# KiCad board sizif128.kicad_pcb (continued)
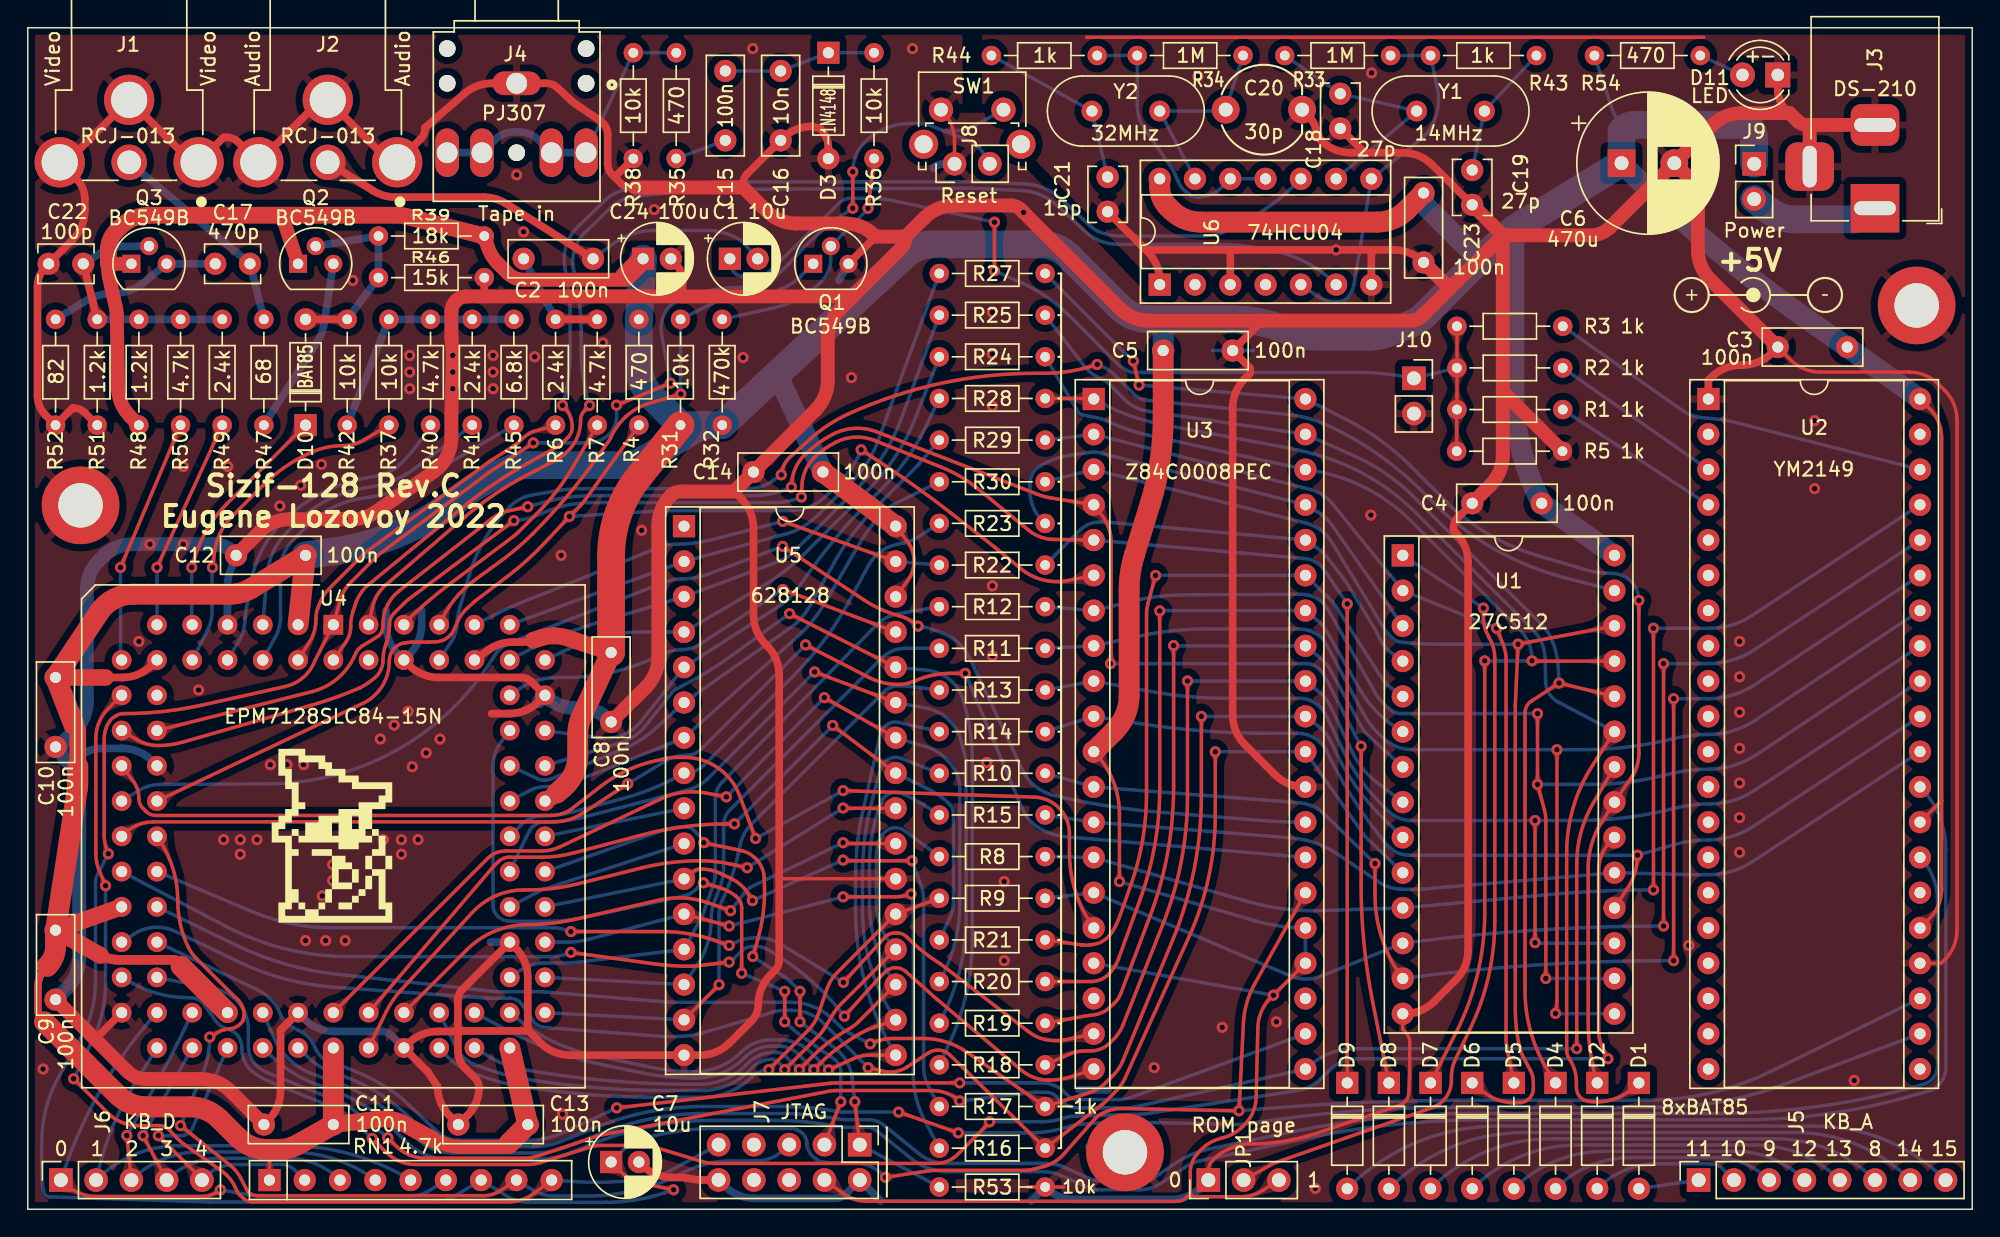
[diagram p0: board, top side]
## Copper pours and planes (outline as drawn; the poured copper is in the pictures) (continued)
CLKCPU on Top: 73.3,45.16 73.74,45.08 74.12,45.04 74.44,45.03 74.73,45.03 75,45.04 75.27,45.05 75.54,45.04 75.83,45.02 76.16,44.97 76.55,44.89 77.14,45.74 76.27,46.3 75.96,46.07 75.69,45.86 75.45,45.69 75.21,45.55 74.97,45.44 74.71,45.36 74.43,45.31 74.12,45.31 73.76,45.34 73.35,45.4
CLKCPU on Top: 61.06,54.15 60.94,54.23 60.84,54.31 60.76,54.37 60.69,54.43 60.63,54.49 60.57,54.56 60.52,54.63 60.46,54.71 60.41,54.8 60.34,54.91 59.83,54.81 59.95,54.31 60.07,54.29 60.18,54.27 60.27,54.26 60.36,54.24 60.44,54.21 60.52,54.18 60.61,54.14 60.7,54.09 60.8,54.02 60.93,53.94
CLKCPU on Bottom: 40.18,50.1 40.04,50.09 39.91,50.09 39.81,50.09 39.71,50.1 39.63,50.11 39.54,50.13 39.46,50.15 39.37,50.18 39.27,50.22 39.15,50.27 38.8,49.89 39.2,49.55 39.3,49.61 39.4,49.66 39.49,49.71 39.57,49.74 39.65,49.77 39.73,49.79 39.82,49.81 39.93,49.83 40.05,49.84 40.2,49.85
CLKCPU on Bottom: 59.58,53.56 59.66,53.69 59.72,53.8 59.78,53.89 59.84,53.97 59.9,54.04 59.95,54.11 60.02,54.17 60.09,54.24 60.17,54.32 60.26,54.4 60.08,54.89 59.6,54.68 59.61,54.56 59.61,54.45 59.61,54.36 59.6,54.27 59.59,54.19 59.57,54.1 59.54,54.02 59.49,53.92 59.44,53.81 59.36,53.69
Csync on Top: 12.18,47.77 12.11,47.59 12,47.29 11.95,47.16 11.9,47.05 11.85,46.95 11.79,46.85 11.71,46.74 11.62,46.62 11.51,46.5 11.74,46.03 12.2,46.29 12.17,46.45 12.16,46.6 12.15,46.73 12.16,46.85 12.17,46.96 12.2,47.08 12.23,47.2 12.28,47.34 12.34,47.5 12.41,47.68
Csync on Top: 18.4,54.7 18.61,54.9 18.8,55.07 18.97,55.2 19.12,55.3 19.28,55.38 19.44,55.45 19.61,55.51 19.8,55.57 20.02,55.64 20.26,55.72 20.28,56.76 19.24,56.74 19.16,56.5 19.09,56.28 19.03,56.09 18.97,55.92 18.9,55.76 18.82,55.6 18.72,55.45 18.59,55.28 18.42,55.09 18.22,54.88
Csync on Bottom: 11.67,44.24 11.67,43.98 11.66,43.75 11.63,43.56 11.6,43.39 11.55,43.24 11.5,43.09 11.43,42.94 11.28,42.59 11.18,42.37 11.86,41.74 12.46,42.45 12.25,42.82 12.17,42.97 12.1,43.12 12.04,43.26 12,43.41 11.97,43.58 11.94,43.76 11.93,43.98 11.92,44.24
Csync on Bottom: 11.92,45.03 11.93,45.18 11.93,45.3 11.94,45.41 11.95,45.5 11.97,45.59 11.99,45.67 12.02,45.75 12.06,45.84 12.11,45.94 12.16,46.05 11.8,46.42 11.44,46.05 11.49,45.94 11.54,45.84 11.58,45.75 11.61,45.67 11.63,45.59 11.65,45.5 11.66,45.41 11.67,45.3 11.67,45.18 11.67,45.03
D0 on Top: 116.92,24.19 116.92,24.05 116.92,23.92 116.91,23.82 116.9,23.72 116.88,23.64 116.86,23.55 116.83,23.47 116.79,23.38 116.74,23.29 116.69,23.17 117.05,22.8 117.41,23.17 117.36,23.29 117.31,23.38 117.27,23.47 117.24,23.55 117.22,23.64 117.2,23.72 117.19,23.82 117.18,23.92 117.18,24.05 117.17,24.19
D0 on Top: 117.17,40.66 117.18,40.8 117.18,40.93 117.19,41.03 117.2,41.13 117.22,41.21 117.24,41.3 117.27,41.38 117.31,41.47 117.36,41.56 117.41,41.68 117.05,42.05 116.69,41.68 116.74,41.56 116.79,41.47 116.83,41.38 116.86,41.3 116.88,41.21 116.9,41.13 116.91,41.03 116.92,40.93 116.92,40.8 116.92,40.66
D0 on Bottom: 75.34,25.49 75.09,25.5 74.87,25.52 74.69,25.54 74.53,25.58 74.38,25.63 74.24,25.68 74.09,25.75 73.94,25.83 73.77,25.92 73.57,26.02 72.9,25.41 73.54,24.76 73.75,24.86 73.93,24.95 74.08,25.02 74.23,25.08 74.37,25.14 74.52,25.18 74.68,25.21 74.87,25.23 75.08,25.24 75.34,25.24
D0 on Bottom: 79.08,24.8 78.8,24.89 78.57,24.97 78.37,25.06 78.21,25.15 78.06,25.24 77.92,25.35 77.79,25.47 77.64,25.61 77.48,25.76 77.28,25.94 76.37,25.45 76.89,24.55 77.14,24.6 77.36,24.64 77.56,24.68 77.74,24.71 77.91,24.73 78.09,24.73 78.28,24.72 78.49,24.69 78.73,24.64 79.01,24.56
D0 on Bottom: 115.85,22.87 115.99,22.87 116.12,22.87 116.22,22.86 116.32,22.85 116.41,22.83 116.49,22.81 116.57,22.78 116.66,22.74 116.76,22.69 116.88,22.64 117.25,23 116.87,23.36 116.76,23.3 116.66,23.26 116.57,23.22 116.49,23.19 116.4,23.17 116.32,23.15 116.22,23.14 116.11,23.13 115.99,23.12 115.84,23.12
D0 on Bottom: 101.37,22.04 101.08,22.02 100.83,22.02 100.62,22.03 100.43,22.05 100.26,22.09 100.09,22.14 99.92,22.2 99.73,22.27 99.52,22.35 99.28,22.45 98.6,21.66 99.41,21.01 99.63,21.15 99.83,21.27 99.99,21.38 100.15,21.47 100.31,21.55 100.47,21.62 100.65,21.67 100.86,21.72 101.1,21.76 101.39,21.79
D0 on Bottom: 134.31,49.32 134.56,49.48 134.78,49.6 134.97,49.69 135.14,49.76 135.31,49.81 135.48,49.84 135.66,49.87 135.86,49.89 136.09,49.92 136.35,49.95 136.57,50.96 135.55,51.15 135.42,50.92 135.31,50.73 135.21,50.55 135.12,50.4 135.02,50.26 134.91,50.12 134.77,49.98 134.61,49.85 134.42,49.7 134.18,49.53
D0 on Bottom: 96.62,21.5 96.91,21.5 97.16,21.49 97.37,21.47 97.55,21.44 97.72,21.39 97.89,21.33 98.05,21.26 98.23,21.17 98.44,21.08 98.67,20.97 99.4,21.71 98.63,22.41 98.4,22.29 98.2,22.18 98.03,22.08 97.86,22 97.71,21.93 97.54,21.87 97.36,21.82 97.15,21.79 96.9,21.76 96.61,21.75
D0 on Bottom: 74.36,25.26 74.65,25.25 74.9,25.22 75.11,25.19 75.29,25.15 75.46,25.09 75.62,25.03 75.78,24.95 75.96,24.85 76.16,24.75 76.39,24.63 77.15,25.33 76.41,26.07 76.18,25.95 75.98,25.85 75.8,25.77 75.63,25.69 75.47,25.63 75.3,25.58 75.11,25.54 74.9,25.52 74.66,25.51 74.36,25.51
D0 on Bottom: 118.24,41.98 118.1,41.98 117.97,41.98 117.87,41.99 117.77,42 117.69,42.02 117.6,42.04 117.52,42.07 117.43,42.11 117.34,42.16 117.22,42.21 116.85,41.85 117.22,41.49 117.34,41.54 117.43,41.59 117.52,41.63 117.6,41.66 117.69,41.68 117.77,41.7 117.87,41.71 117.97,41.72 118.1,41.72 118.24,41.73
D1 on Top: 117.9,38.11 117.9,38.25 117.91,38.38 117.91,38.48 117.93,38.58 117.94,38.66 117.97,38.75 118,38.83 118.04,38.92 118.08,39.01 118.13,39.13 117.78,39.5 117.41,39.13 117.47,39.01 117.51,38.92 117.55,38.83 117.58,38.75 117.61,38.66 117.62,38.58 117.64,38.48 117.64,38.38 117.65,38.25 117.65,38.11
D1 on Top: 117.65,21.59 117.65,21.45 117.64,21.32 117.64,21.22 117.62,21.12 117.61,21.04 117.58,20.95 117.55,20.87 117.51,20.78 117.47,20.69 117.41,20.57 117.77,20.2 118.13,20.57 118.08,20.69 118.04,20.78 118,20.87 117.97,20.95 117.94,21.04 117.93,21.12 117.91,21.22 117.91,21.32 117.9,21.45 117.9,21.59
D1 on Bottom: 101.37,19.58 101.08,19.55 100.83,19.54 100.61,19.54 100.43,19.56 100.25,19.59 100.08,19.63 99.91,19.69 99.72,19.76 99.5,19.83 99.25,19.92 98.6,19.11 99.44,18.49 99.66,18.64 99.84,18.76 100.01,18.88 100.16,18.97 100.32,19.06 100.48,19.13 100.66,19.19 100.87,19.25 101.11,19.29 101.4,19.33
D1 on Bottom: 118.97,39.42 118.82,39.43 118.7,39.43 118.59,39.44 118.5,39.45 118.41,39.47 118.33,39.49 118.25,39.52 118.16,39.56 118.06,39.61 117.95,39.66 117.57,39.3 117.95,38.94 118.06,38.99 118.16,39.04 118.25,39.08 118.33,39.11 118.41,39.13 118.5,39.15 118.59,39.16 118.7,39.17 118.82,39.17 118.97,39.17
D1 on Bottom: 74.39,22.4 74.68,22.43 74.93,22.44 75.14,22.44 75.33,22.42 75.5,22.39 75.67,22.34 75.84,22.28 76.03,22.21 76.24,22.13 76.49,22.05 77.15,22.85 76.32,23.48 76.1,23.33 75.92,23.21 75.75,23.1 75.59,23 75.44,22.92 75.28,22.85 75.1,22.79 74.89,22.74 74.65,22.69 74.36,22.65
D1 on Bottom: 134.32,46.78 134.56,46.93 134.78,47.06 134.97,47.15 135.15,47.22 135.32,47.26 135.49,47.3 135.67,47.33 135.86,47.35 136.09,47.37 136.35,47.41 136.57,48.42 135.55,48.61 135.42,48.38 135.31,48.19 135.21,48.01 135.12,47.86 135.02,47.71 134.91,47.58 134.78,47.44 134.62,47.3 134.42,47.15 134.18,46.98
D1 on Bottom: 116.58,20.27 116.72,20.27 116.85,20.27 116.95,20.26 117.05,20.25 117.13,20.23 117.22,20.21 117.3,20.18 117.39,20.14 117.49,20.09 117.6,20.04 117.97,20.4 117.6,20.76 117.49,20.71 117.39,20.66 117.3,20.62 117.22,20.59 117.13,20.57 117.05,20.55 116.95,20.54 116.84,20.53 116.72,20.52 116.57,20.52
D1 on Bottom: 79,21.98 78.73,22.1 78.51,22.21 78.33,22.32 78.17,22.43 78.04,22.55 77.92,22.67 77.79,22.8 77.67,22.96 77.52,23.13 77.35,23.33 76.38,22.96 76.79,22 77.05,22.02 77.28,22.03 77.47,22.05 77.66,22.05 77.83,22.05 78.01,22.03 78.19,22 78.4,21.94 78.63,21.86 78.9,21.75
D1 on Bottom: 96.83,18.15 97.1,18.25 97.34,18.33 97.55,18.38 97.73,18.41 97.91,18.43 98.08,18.43 98.26,18.42 98.46,18.4 98.69,18.38 98.95,18.36 99.37,19.31 98.41,19.7 98.23,19.5 98.09,19.33 97.96,19.18 97.83,19.05 97.71,18.93 97.57,18.82 97.41,18.71 97.23,18.6 97.01,18.5 96.74,18.38
D1 on Bottom: 75.31,22.76 75.06,22.74 74.84,22.73 74.66,22.73 74.49,22.74 74.34,22.77 74.19,22.81 74.04,22.86 73.88,22.92 73.69,22.98 73.48,23.06 72.9,22.36 73.62,21.81 73.82,21.93 73.98,22.04 74.12,22.13 74.26,22.21 74.4,22.28 74.54,22.35 74.69,22.4 74.87,22.44 75.09,22.48 75.34,22.51
D2 on Top: 118.62,35.58 118.63,35.73 118.63,35.85 118.64,35.96 118.65,36.05 118.67,36.14 118.69,36.22 118.72,36.3 118.76,36.39 118.81,36.49 118.86,36.6 118.5,36.97 118.14,36.6 118.19,36.49 118.24,36.39 118.28,36.3 118.31,36.22 118.33,36.14 118.35,36.05 118.36,35.96 118.37,35.85 118.37,35.73 118.38,35.58
D2 on Top: 118.38,19.09 118.37,18.95 118.37,18.82 118.36,18.72 118.35,18.62 118.33,18.54 118.31,18.45 118.28,18.37 118.24,18.28 118.19,18.19 118.14,18.07 118.5,17.7 118.86,18.07 118.81,18.19 118.76,18.28 118.72,18.37 118.69,18.45 118.67,18.54 118.65,18.62 118.64,18.72 118.63,18.82 118.63,18.95 118.62,19.09
D2 on Top: 97.69,18.65 97.81,18.37 97.9,18.13 97.97,17.92 98.02,17.73 98.06,17.55 98.09,17.38 98.11,17.2 98.17,16.77 98.21,16.5 99.23,16.29 99.4,17.31 99.17,17.44 98.98,17.55 98.81,17.64 98.65,17.74 98.51,17.84 98.39,17.96 98.27,18.1 98.15,18.28 98.04,18.49 97.92,18.74
D2 on Top: 97.12,23.71 97.13,23.85 97.13,23.98 97.14,24.08 97.15,24.18 97.17,24.26 97.19,24.35 97.22,24.43 97.26,24.52 97.31,24.61 97.36,24.73 97,25.1 96.64,24.73 96.69,24.61 96.74,24.52 96.78,24.43 96.81,24.35 96.83,24.26 96.85,24.18 96.86,24.08 96.87,23.98 96.87,23.85 96.88,23.71
D2 on Bottom: 101.37,17.05 101.07,17.02 100.82,17.01 100.61,17.01 100.42,17.03 100.25,17.06 100.08,17.1 99.9,17.15 99.71,17.22 99.5,17.29 99.25,17.38 98.6,16.57 99.44,15.95 99.66,16.1 99.84,16.23 100.01,16.34 100.16,16.44 100.32,16.52 100.48,16.6 100.66,16.66 100.86,16.71 101.11,16.76 101.4,16.8
D2 on Bottom: 79.14,30.36 78.85,30.39 78.61,30.43 78.4,30.47 78.22,30.52 78.05,30.59 77.9,30.67 77.74,30.76 77.57,30.86 77.38,30.98 77.15,31.11 76.35,30.45 77.04,29.68 77.28,29.77 77.49,29.86 77.68,29.94 77.85,30 78.01,30.05 78.18,30.09 78.37,30.12 78.58,30.13 78.83,30.13 79.12,30.11
D2 on Bottom: 116.98,17.77 117.17,17.77 117.33,17.77 117.47,17.77 117.59,17.77 117.71,17.75 117.82,17.73 117.93,17.7 118.05,17.66 118.18,17.61 118.33,17.54 118.7,17.9 118.33,18.26 118.18,18.19 118.05,18.14 117.93,18.1 117.82,18.07 117.71,18.05 117.59,18.03 117.47,18.03 117.33,18.02 116.97,18.02
D2 on Bottom: 119.69,36.9 119.55,36.9 119.42,36.91 119.32,36.91 119.22,36.93 119.14,36.94 119.05,36.97 118.97,37 118.88,37.04 118.79,37.08 118.67,37.13 118.3,36.77 118.67,36.41 118.79,36.47 118.88,36.51 118.97,36.55 119.05,36.58 119.14,36.61 119.22,36.62 119.32,36.64 119.42,36.64 119.55,36.65 119.69,36.65
D2 on Bottom: 75.3,30.96 75.05,31.03 74.85,31.1 74.68,31.17 74.53,31.25 74.4,31.33 74.28,31.42 74.16,31.52 74.03,31.64 73.88,31.77 73.71,31.92 72.91,31.49 73.37,30.71 73.6,30.75 73.79,30.79 73.96,30.82 74.12,30.85 74.27,30.86 74.42,30.86 74.59,30.85 74.77,30.83 74.98,30.78 75.23,30.72
D2 on Bottom: 134.32,44.24 134.56,44.39 134.78,44.52 134.97,44.61 135.15,44.68 135.32,44.72 135.49,44.76 135.67,44.79 135.86,44.81 136.09,44.83 136.35,44.87 136.57,45.88 135.55,46.07 135.42,45.84 135.31,45.65 135.21,45.47 135.12,45.32 135.02,45.17 134.91,45.04 134.78,44.9 134.62,44.76 134.42,44.61 134.18,44.44
D2 on Bottom: 74.41,30.94 74.7,30.86 74.93,30.78 75.12,30.69 75.29,30.6 75.44,30.51 75.58,30.4 75.71,30.28 75.86,30.15 76.03,30 76.22,29.82 77.14,30.31 76.61,31.21 76.35,31.16 76.13,31.11 75.94,31.08 75.76,31.05 75.58,31.03 75.41,31.02 75.22,31.03 75.01,31.06 74.77,31.11 74.48,31.18
D2 on Bottom: 96.06,25.64 96.16,25.54 96.25,25.45 96.32,25.37 96.38,25.3 96.43,25.22 96.47,25.15 96.51,25.07 96.54,24.98 96.58,24.88 96.62,24.76 97.14,24.76 97.13,25.28 97.01,25.32 96.91,25.35 96.82,25.39 96.74,25.43 96.66,25.47 96.59,25.51 96.51,25.57 96.43,25.64 96.34,25.72 96.24,25.82
D3 on Top: 110.22,31.91 110.23,32.05 110.23,32.18 110.24,32.28 110.25,32.38 110.27,32.46 110.29,32.55 110.32,32.63 110.36,32.72 110.41,32.81 110.46,32.93 110.1,33.3 109.74,32.93 109.79,32.81 109.84,32.72 109.88,32.63 109.91,32.55 109.93,32.46 109.95,32.38 109.96,32.28 109.97,32.18 109.97,32.05 109.97,31.91
D3 on Bottom: 74.37,40.33 74.66,40.34 74.91,40.34 75.12,40.32 75.31,40.29 75.48,40.24 75.64,40.19 75.81,40.12 75.99,40.04 76.2,39.95 76.44,39.84 77.15,40.6 76.36,41.28 76.14,41.15 75.94,41.04 75.77,40.94 75.61,40.86 75.45,40.78 75.29,40.72 75.1,40.67 74.89,40.63 74.65,40.6 74.36,40.58
D3 on Bottom: 75.33,40.63 75.08,40.62 74.86,40.63 74.67,40.64 74.51,40.67 74.36,40.7 74.22,40.75 74.07,40.81 73.91,40.88 73.73,40.95 73.52,41.04 72.9,40.38 73.59,39.79 73.78,39.9 73.95,39.99 74.11,40.08 74.25,40.15 74.39,40.21 74.53,40.27 74.69,40.31 74.87,40.34 75.09,40.36 75.34,40.38
D3 on Bottom: 79.06,41.2 78.77,41.15 78.53,41.11 78.32,41.1 78.13,41.1 77.95,41.11 77.78,41.14 77.6,41.18 77.41,41.23 77.19,41.29 76.94,41.36 76.36,40.5 77.24,39.95 77.45,40.11 77.62,40.25 77.78,40.38 77.92,40.49 78.06,40.59 78.22,40.67 78.39,40.75 78.59,40.82 78.83,40.89 79.11,40.96
D3 on Bottom: 111.2,14.2 111.06,14.21 110.93,14.21 110.83,14.22 110.73,14.23 110.65,14.25 110.57,14.27 110.48,14.3 110.4,14.34 110.3,14.39 110.19,14.45 109.8,14.11 110.16,13.73 110.27,13.78 110.37,13.82 110.47,13.86 110.55,13.89 110.64,13.91 110.72,13.93 110.82,13.94 110.93,13.95 111.05,13.95 111.2,13.95
D3 on Bottom: 111.85,13.95 112.14,13.95 112.39,13.93 112.6,13.9 112.78,13.86 112.95,13.81 113.11,13.75 113.28,13.67 113.46,13.58 113.66,13.48 113.89,13.36 114.64,14.08 113.89,14.8 113.66,14.68 113.46,14.58 113.28,14.49 113.11,14.41 112.95,14.35 112.78,14.3 112.6,14.26 112.39,14.23 112.14,14.21 111.85,14.2
D3 on Bottom: 134.32,41.69 134.57,41.85 134.78,41.97 134.97,42.06 135.15,42.13 135.32,42.18 135.49,42.22 135.67,42.25 135.87,42.27 136.09,42.29 136.35,42.33 136.57,43.34 135.55,43.53 135.42,43.3 135.31,43.1 135.21,42.93 135.12,42.77 135.02,42.63 134.91,42.49 134.78,42.36 134.62,42.22 134.42,42.07 134.18,41.9
D3 on Bottom: 111.29,33.22 111.15,33.23 111.02,33.23 110.92,33.24 110.82,33.25 110.74,33.27 110.65,33.29 110.57,33.32 110.48,33.36 110.39,33.41 110.27,33.46 109.9,33.1 110.27,32.74 110.39,32.79 110.48,32.84 110.57,32.88 110.65,32.91 110.74,32.93 110.82,32.95 110.92,32.96 111.02,32.97 111.15,32.97 111.29,32.97
D3 on Bottom: 108.91,32.97 109.05,32.97 109.18,32.97 109.28,32.96 109.38,32.95 109.46,32.93 109.55,32.91 109.63,32.88 109.72,32.84 109.81,32.79 109.93,32.74 110.3,33.1 109.93,33.46 109.81,33.41 109.72,33.36 109.63,33.32 109.55,33.29 109.46,33.27 109.38,33.25 109.28,33.24 109.18,33.23 109.05,33.23 108.91,33.22
D4 on Top: 108.57,31.79 108.57,31.65 108.57,31.52 108.56,31.42 108.55,31.32 108.53,31.24 108.51,31.15 108.48,31.07 108.44,30.98 108.39,30.89 108.34,30.77 108.7,30.4 109.06,30.77 109.01,30.89 108.96,30.98 108.92,31.07 108.89,31.15 108.87,31.24 108.85,31.32 108.84,31.42 108.83,31.52 108.83,31.65 108.82,31.79
D4 on Top: 109.17,17.81 109.17,17.67 109.17,17.54 109.16,17.44 109.15,17.34 109.13,17.26 109.11,17.17 109.08,17.09 109.04,17 108.99,16.91 108.94,16.79 109.3,16.42 109.66,16.79 109.61,16.91 109.56,17 109.52,17.09 109.49,17.17 109.47,17.26 109.45,17.34 109.44,17.44 109.43,17.54 109.43,17.67 109.42,17.81
D4 on Top: 109.13,29.48 109.1,29.62 109.07,29.74 109.05,29.85 109.04,29.94 109.03,30.03 109.03,30.12 109.04,30.2 109.05,30.3 109.07,30.4 109.09,30.53 108.65,30.79 108.4,30.34 108.48,30.24 108.55,30.16 108.61,30.09 108.66,30.01 108.7,29.94 108.74,29.86 108.78,29.78 108.82,29.68 108.85,29.56 108.89,29.42
D4 on Top: 108.82,34.51 108.83,34.65 108.83,34.78 108.84,34.88 108.85,34.98 108.87,35.06 108.89,35.15 108.92,35.23 108.96,35.32 109.01,35.41 109.06,35.53 108.7,35.9 108.34,35.53 108.39,35.41 108.44,35.32 108.48,35.23 108.51,35.15 108.53,35.06 108.55,34.98 108.56,34.88 108.57,34.78 108.57,34.65 108.57,34.51
D4 on Bottom: 111.85,16.49 112.14,16.49 112.39,16.47 112.6,16.44 112.78,16.4 112.95,16.35 113.11,16.29 113.28,16.21 113.46,16.12 113.66,16.02 113.89,15.9 114.64,16.62 113.89,17.34 113.66,17.22 113.46,17.12 113.28,17.03 113.11,16.95 112.95,16.89 112.78,16.84 112.6,16.8 112.39,16.77 112.14,16.75 111.85,16.74
D4 on Bottom: 134.32,39.15 134.57,39.31 134.78,39.43 134.97,39.52 135.15,39.59 135.32,39.64 135.49,39.68 135.67,39.71 135.87,39.73 136.09,39.75 136.35,39.79 136.57,40.8 135.55,40.99 135.42,40.76 135.31,40.56 135.21,40.39 135.12,40.23 135.02,40.09 134.91,39.95 134.78,39.82 134.62,39.68 134.42,39.53 134.18,39.36
D4 on Bottom: 110.49,16.74 110.35,16.75 110.22,16.75 110.12,16.76 110.02,16.77 109.94,16.79 109.85,16.81 109.77,16.84 109.68,16.88 109.59,16.93 109.47,16.98 109.1,16.62 109.47,16.26 109.59,16.31 109.68,16.36 109.77,16.4 109.85,16.43 109.94,16.45 110.02,16.47 110.12,16.48 110.22,16.49 110.35,16.49 110.49,16.49
D4 on Bottom: 74.36,43.19 74.65,43.16 74.89,43.12 75.1,43.07 75.28,43.02 75.45,42.95 75.6,42.88 75.76,42.79 75.93,42.68 76.12,42.56 76.34,42.43 77.15,43.09 76.46,43.87 76.22,43.77 76.01,43.68 75.83,43.61 75.65,43.54 75.49,43.49 75.32,43.45 75.13,43.43 74.92,43.41 74.67,43.42 74.38,43.44
D4 on Bottom: 79.04,43.81 78.76,43.74 78.51,43.7 78.3,43.68 78.11,43.68 77.94,43.69 77.76,43.71 77.59,43.75 77.39,43.79 77.17,43.84 76.92,43.9 76.36,43.03 77.26,42.5 77.46,42.67 77.63,42.82 77.78,42.95 77.92,43.06 78.06,43.16 78.21,43.25 78.38,43.34 78.58,43.42 78.82,43.49 79.1,43.57
D4 on Bottom: 109.89,30.72 109.75,30.73 109.62,30.73 109.52,30.74 109.42,30.75 109.34,30.77 109.25,30.79 109.17,30.82 109.08,30.86 108.99,30.91 108.87,30.96 108.5,30.6 108.87,30.24 108.99,30.29 109.08,30.34 109.17,30.38 109.25,30.41 109.34,30.43 109.42,30.45 109.52,30.46 109.62,30.47 109.75,30.47 109.89,30.47
D4 on Bottom: 107.51,35.57 107.65,35.57 107.78,35.57 107.88,35.56 107.98,35.55 108.06,35.53 108.15,35.51 108.23,35.48 108.32,35.44 108.41,35.39 108.53,35.34 108.9,35.7 108.53,36.06 108.41,36.01 108.32,35.96 108.23,35.92 108.15,35.89 108.06,35.87 107.98,35.85 107.88,35.84 107.78,35.83 107.65,35.83 107.51,35.82
D4 on Bottom: 75.34,43.36 75.09,43.38 74.87,43.41 74.69,43.45 74.53,43.5 74.39,43.55 74.25,43.62 74.12,43.7 73.97,43.79 73.8,43.89 73.6,44 72.9,43.43 73.5,42.75 73.71,42.83 73.9,42.91 74.06,42.97 74.21,43.02 74.35,43.07 74.5,43.1 74.67,43.12 74.85,43.13 75.07,43.12 75.32,43.11
D5 on Top: 108.4,20.4 108.4,20.25 108.39,20.13 108.39,20.02 108.37,19.93 108.36,19.84 108.33,19.76 108.3,19.67 108.26,19.59 108.22,19.49 108.17,19.37 108.53,19 108.89,19.37 108.83,19.49 108.79,19.59 108.75,19.67 108.72,19.76 108.69,19.84 108.68,19.93 108.66,20.02 108.66,20.13 108.65,20.25 108.65,20.4
D5 on Top: 108.65,26.81 108.65,26.95 108.66,27.08 108.66,27.18 108.68,27.28 108.69,27.36 108.72,27.45 108.75,27.53 108.79,27.62 108.83,27.71 108.89,27.83 108.53,28.2 108.17,27.83 108.22,27.71 108.26,27.62 108.3,27.53 108.33,27.45 108.36,27.36 108.37,27.28 108.39,27.18 108.39,27.08 108.4,26.95 108.4,26.81
D5 on Bottom: 134.31,36.62 134.56,36.78 134.78,36.9 134.97,36.99 135.15,37.06 135.31,37.11 135.48,37.14 135.66,37.17 135.86,37.19 136.09,37.22 136.35,37.25 136.57,38.26 135.55,38.45 135.42,38.22 135.31,38.03 135.21,37.85 135.12,37.7 135.02,37.56 134.91,37.42 134.77,37.28 134.61,37.14 134.42,36.99 134.18,36.83
D5 on Bottom: 111.85,19.03 112.14,19.03 112.39,19.01 112.6,18.98 112.78,18.94 112.95,18.89 113.11,18.83 113.28,18.75 113.46,18.66 113.66,18.56 113.89,18.44 114.64,19.16 113.89,19.88 113.66,19.76 113.46,19.66 113.28,19.57 113.11,19.49 112.95,19.43 112.78,19.38 112.6,19.34 112.39,19.31 112.14,19.29 111.85,19.28
D5 on Bottom: 109.73,19.28 109.58,19.29 109.46,19.29 109.36,19.3 109.26,19.31 109.18,19.33 109.1,19.35 109.02,19.38 108.93,19.43 108.84,19.48 108.73,19.54 108.33,19.22 108.66,18.82 108.89,18.91 108.98,18.94 109.07,18.97 109.15,18.99 109.24,19.01 109.34,19.02 109.45,19.03 109.58,19.03 109.73,19.03
D5 on Bottom: 109.72,28.12 109.57,28.13 109.45,28.13 109.34,28.14 109.25,28.15 109.16,28.17 109.08,28.19 109,28.22 108.91,28.26 108.81,28.31 108.7,28.36 108.33,28 108.7,27.64 108.81,27.69 108.91,27.74 109,27.78 109.08,27.81 109.16,27.83 109.25,27.85 109.34,27.86 109.45,27.87 109.57,27.87 109.72,27.88
D5 on Bottom: 79.12,37.73 78.84,37.79 78.6,37.85 78.39,37.92 78.22,37.99 78.06,38.07 77.92,38.17 77.77,38.27 77.61,38.39 77.43,38.53 77.22,38.69 76.36,38.11 76.96,37.27 77.21,37.34 77.43,37.41 77.62,37.46 77.8,37.51 77.97,37.54 78.14,37.57 78.33,37.57 78.54,37.56 78.79,37.54 79.08,37.49
D5 on Bottom: 107.34,27.88 107.48,27.87 107.6,27.87 107.71,27.86 107.8,27.85 107.89,27.83 107.97,27.81 108.05,27.78 108.14,27.74 108.24,27.69 108.35,27.64 108.73,28 108.35,28.36 108.24,28.31 108.14,28.26 108.05,28.22 107.97,28.19 107.89,28.17 107.8,28.15 107.71,28.14 107.6,28.13 107.48,28.13 107.34,28.12
D5 on Bottom: 74.42,37.49 74.71,37.53 74.96,37.56 75.17,37.57 75.36,37.57 75.53,37.54 75.7,37.51 75.88,37.46 76.07,37.41 76.29,37.34 76.54,37.27 77.14,38.11 76.28,38.69 76.07,38.53 75.89,38.39 75.73,38.27 75.58,38.17 75.44,38.07 75.28,37.99 75.11,37.92 74.9,37.85 74.66,37.79 74.38,37.73
D5 on Bottom: 75.28,37.9 75.03,37.86 74.82,37.83 74.63,37.82 74.47,37.83 74.31,37.84 74.16,37.87 74.01,37.91 73.84,37.96 73.65,38.01 73.44,38.07 72.91,37.34 73.66,36.84 73.85,36.97 74,37.09 74.14,37.19 74.27,37.28 74.4,37.36 74.54,37.43 74.69,37.49 74.87,37.55 75.08,37.6 75.33,37.65
D6 on Top: 115.68,24.61 115.58,24.22 115.47,23.9 115.35,23.63 115.21,23.4 115.05,23.21 114.87,23.04 114.66,22.89 114.42,22.73 114.14,22.57 113.83,22.39 114.02,21.37 115.03,21.59 115.09,21.96 115.16,22.27 115.24,22.54 115.33,22.78 115.42,23.01 115.52,23.25 115.62,23.5 115.72,23.8 115.82,24.14 115.92,24.56
D6 on Top: 115.85,24.28 115.93,24.55 115.96,24.66 115.99,24.75 116.03,24.84 116.06,24.92 116.1,25 116.14,25.09 116.19,25.19 116.25,25.31 115.91,25.7 115.53,25.34 115.58,25.23 115.62,25.14 115.65,25.05 115.67,24.96 115.69,24.88 115.69,24.79 115.69,24.7 115.67,24.6 115.65,24.48 115.61,24.35
D6 on Bottom: 79.13,35.25 78.84,35.3 78.6,35.36 78.4,35.42 78.22,35.49 78.06,35.57 77.91,35.65 77.76,35.76 77.6,35.87 77.42,36.01 77.21,36.16 76.35,35.56 76.98,34.73 77.23,34.81 77.44,34.88 77.63,34.94 77.81,34.99 77.98,35.03 78.15,35.06 78.34,35.07 78.55,35.07 78.8,35.04 79.09,35
D6 on Bottom: 75.21,35.15 74.96,35.07 74.75,35.02 74.57,34.99 74.4,34.97 74.25,34.97 74.1,34.98 73.94,35 73.77,35.03 73.58,35.06 73.35,35.09 72.92,34.3 73.73,33.89 73.89,34.05 74.03,34.18 74.16,34.3 74.28,34.41 74.4,34.5 74.52,34.59 74.67,34.67 74.84,34.75 75.04,34.83 75.28,34.91
D6 on Bottom: 74.51,34.66 74.79,34.75 75.03,34.8 75.24,34.84 75.43,34.86 75.6,34.86 75.78,34.84 75.96,34.82 76.15,34.79 76.38,34.75 76.63,34.71 77.13,35.62 76.2,36.08 76.01,35.9 75.85,35.74 75.71,35.6 75.58,35.48 75.44,35.37 75.3,35.27 75.13,35.18 74.94,35.09 74.71,35 74.43,34.9
D6 on Bottom: 134.31,34.08 134.56,34.24 134.78,34.36 134.97,34.45 135.14,34.52 135.31,34.57 135.48,34.6 135.66,34.63 135.86,34.65 136.09,34.68 136.35,34.71 136.57,35.72 135.55,35.91 135.42,35.68 135.31,35.49 135.21,35.31 135.12,35.16 135.02,35.02 134.91,34.88 134.77,34.74 134.61,34.6 134.42,34.45 134.18,34.29
D6 on Bottom: 117.01,25.95 116.87,25.91 116.75,25.88 116.65,25.86 116.55,25.85 116.46,25.84 116.38,25.84 116.29,25.85 116.2,25.86 116.09,25.87 115.97,25.89 115.71,25.44 116.17,25.2 116.26,25.29 116.34,25.36 116.42,25.42 116.49,25.47 116.56,25.51 116.64,25.56 116.72,25.59 116.82,25.63 116.94,25.67 117.08,25.71
D6 on Bottom: 114.71,25.38 114.85,25.37 114.98,25.37 115.08,25.36 115.18,25.35 115.26,25.33 115.35,25.31 115.43,25.28 115.52,25.24 115.61,25.19 115.73,25.14 116.1,25.5 115.73,25.86 115.61,25.81 115.52,25.76 115.43,25.72 115.35,25.69 115.26,25.67 115.18,25.65 115.08,25.64 114.98,25.63 114.85,25.63 114.71,25.63
D7 on Bottom: 79.14,27.81 78.85,27.84 78.61,27.88 78.4,27.93 78.22,27.98 78.05,28.05 77.9,28.12 77.74,28.21 77.57,28.32 77.38,28.44 77.15,28.57 76.35,27.91 77.04,27.13 77.28,27.23 77.49,27.32 77.67,27.39 77.85,27.46 78.01,27.51 78.18,27.55 78.37,27.57 78.58,27.59 78.83,27.58 79.12,27.57
D7 on Bottom: 116.63,24.3 116.34,24.32 116.09,24.34 115.88,24.37 115.7,24.42 115.53,24.48 115.37,24.55 115.21,24.63 115.04,24.72 114.84,24.83 114.61,24.95 113.84,24.25 114.57,23.51 114.81,23.62 115.01,23.72 115.19,23.8 115.36,23.88 115.52,23.94 115.69,23.99 115.87,24.02 116.09,24.05 116.33,24.06 116.63,24.05
D7 on Bottom: 134.31,31.54 134.56,31.7 134.77,31.82 134.97,31.91 135.14,31.98 135.31,32.03 135.48,32.06 135.66,32.09 135.86,32.11 136.09,32.14 136.34,32.17 136.57,33.18 135.55,33.37 135.42,33.15 135.31,32.95 135.21,32.78 135.12,32.62 135.02,32.48 134.9,32.34 134.77,32.21 134.61,32.07 134.42,31.92 134.17,31.75
D7 on Bottom: 75.34,28.22 75.08,28.26 74.87,28.3 74.69,28.35 74.54,28.41 74.4,28.48 74.27,28.55 74.13,28.64 73.99,28.74 73.83,28.85 73.64,28.98 72.9,28.45 73.46,27.73 73.67,27.8 73.86,27.86 74.03,27.92 74.18,27.96 74.33,27.99 74.48,28.01 74.64,28.02 74.83,28.02 75.05,28 75.3,27.97
